# Altium PCB robot.PcbDoc (part 7 of 13) (continued)
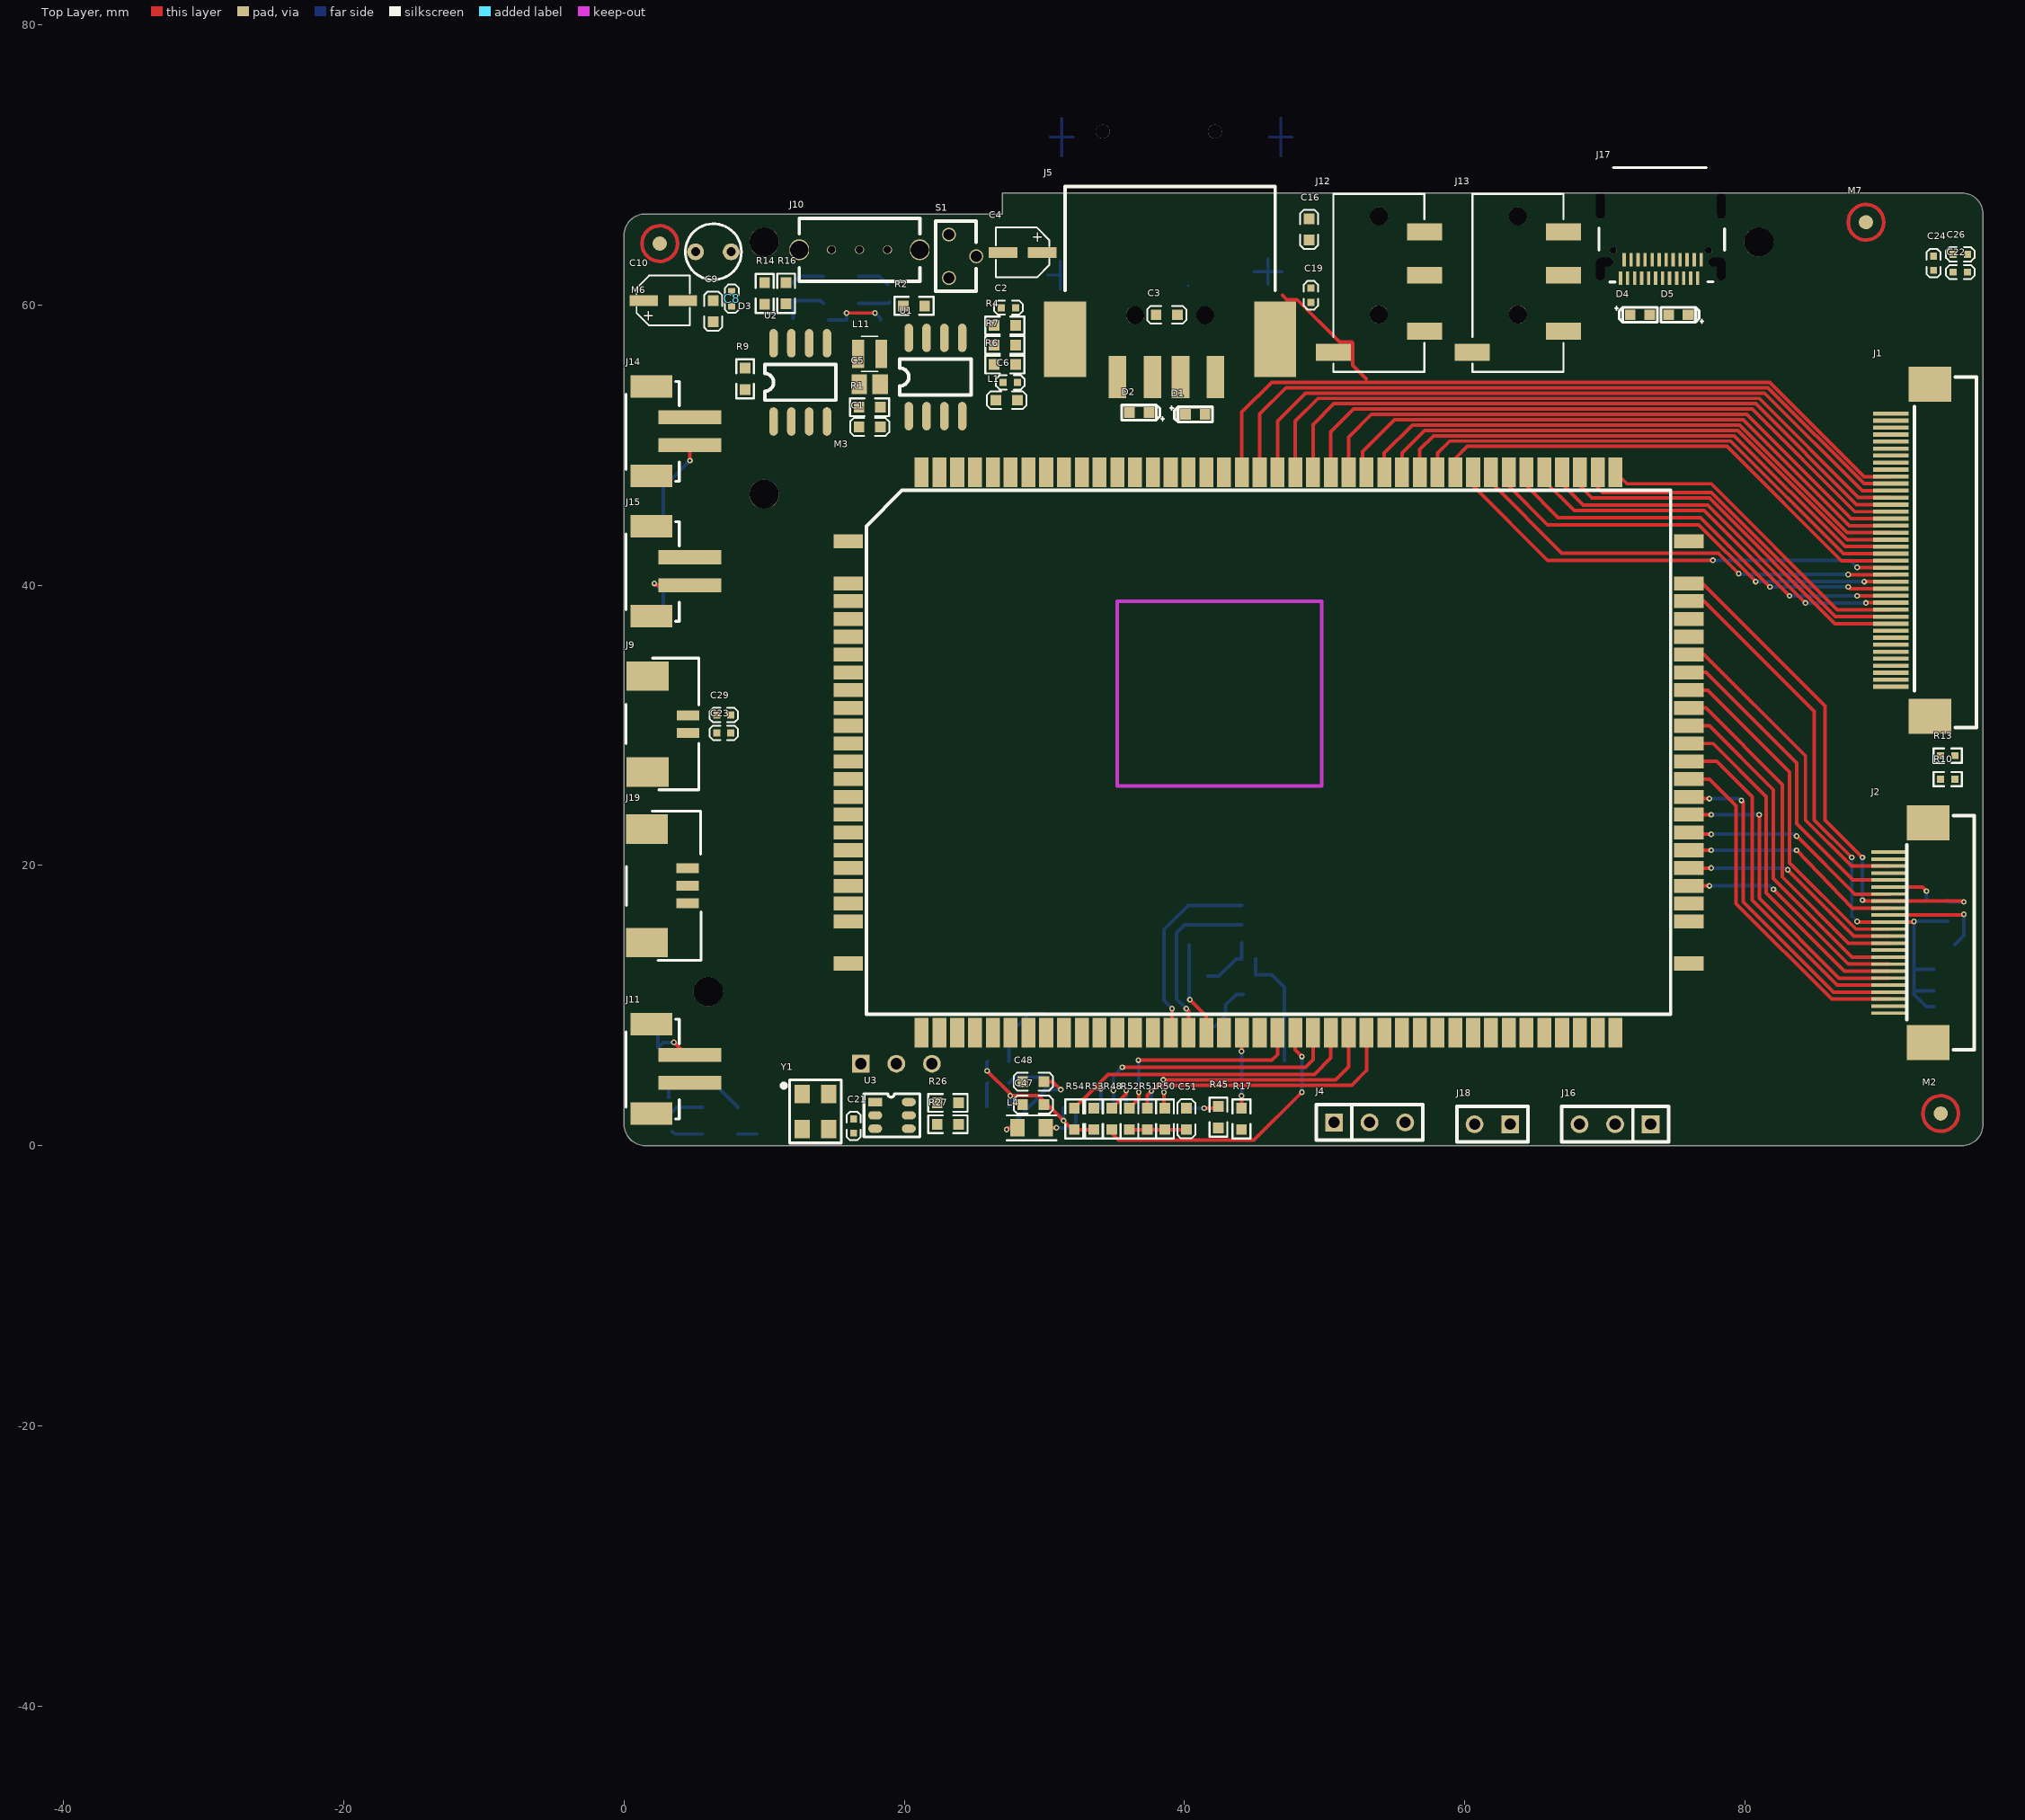
[diagram p0: Top Layer view]
## Free pads (board coordinates) (continued)
1(-39.018,-44.128) 1(-39.018,-44.137) 1(-39.018,-44.137) 1(-39.018,-44.137) 1(-39.018,-44.137) 1(-39.018,-44.137) 1(-39.018,-44.137) 1(-39.018,-44.14) 1(-39.018,-44.14) 1(-39.018,-44.14) 1(-39.018,-44.134) 1(-39.018,-44.134) 1(-39.018,-44.134) 1(-39.018,-44.134) 1(-39.018,-44.134) 1(-39.018,-44.134) 1(-39.018,-44.133) 1(-39.018,-44.133) 1(-39.018,-44.133) 1(-39.018,-44.133) 1(-39.018,-44.133) 1(-39.018,-44.133) 1(-39.018,-44.132) 1(-39.018,-44.132) 1(-39.018,-44.132) 1(-39.018,-44.132) 1(-39.018,-44.132) 1(-39.018,-44.132) 1(-39.018,-44.132) 1(-39.018,-44.132) 1(-39.018,-44.132) 1(-39.018,-44.132) 1(-39.018,-44.132) 1(-39.018,-44.132) 1(-39.018,-44.103) 1(-39.018,-44.103) 1(-39.018,-44.103) 1(-39.018,-44.101) 1(-39.018,-44.101) 1(-39.018,-44.101) 1(-39.018,-44.101) 1(-39.018,-44.101) 1(-39.018,-44.101) 1(-39.018,-44.098) 1(-39.018,-44.098) 1(-39.018,-44.098) 1(-39.017,-44.131) 1(-39.017,-44.131) 1(-39.017,-44.131) 1(-39.017,-44.139) 1(-39.017,-44.139) 1(-39.017,-44.139) 1(-39.017,-44.138) 1(-39.017,-44.138) 1(-39.017,-44.138) 1(-39.017,-44.137) 1(-39.017,-44.137) 1(-39.017,-44.137) 1(-39.017,-44.137) 1(-39.017,-44.137) 1(-39.017,-44.137) 1(-39.017,-44.137) 1(-39.017,-44.137) 1(-39.017,-44.137) 1(-39.017,-44.136) 1(-39.017,-44.136) 1(-39.017,-44.136) 1(-39.017,-44.135) 1(-39.017,-44.135) 1(-39.017,-44.135) 1(-39.017,-44.135) 1(-39.017,-44.135) 1(-39.017,-44.135) 1(-39.017,-44.135) 1(-39.017,-44.135) 1(-39.017,-44.135) 1(-39.017,-44.133) 1(-39.017,-44.133) 1(-39.017,-44.133) 1(-39.017,-44.134) 1(-39.017,-44.134) 1(-39.017,-44.134) 1(-39.017,-44.141) 1(-39.017,-44.141) 1(-39.017,-44.141) 1(-39.017,-44.141) 1(-39.017,-44.141) 1(-39.017,-44.141) 1(-39.017,-44.14) 1(-39.017,-44.14) 1(-39.017,-44.14) 1(-39.017,-44.14) 1(-39.017,-44.14) 1(-39.017,-44.14) 1(-39.017,-44.128) 1(-39.017,-44.128) 1(-39.017,-44.128) 1(-39.017,-44.141) 1(-39.017,-44.141) 1(-39.017,-44.141) 1(-39.017,-44.141) 1(-39.017,-44.141) 1(-39.017,-44.141) 1(-39.017,-44.141) 1(-39.017,-44.141) 1(-39.017,-44.141) 1(-39.017,-44.141) 1(-39.017,-44.141) 1(-39.017,-44.141) 1(-39.017,-44.113) 1(-39.017,-44.113) 1(-39.017,-44.113) 1(-39.017,-44.14) 1(-39.017,-44.14) 1(-39.017,-44.14) 1(-39.017,-44.14) 1(-39.017,-44.14) 1(-39.017,-44.14) 1(-39.017,-44.142) 1(-39.017,-44.142) 1(-39.017,-44.142) 1(-39.017,-44.142) 1(-39.017,-44.142) 1(-39.017,-44.142) 1(-39.017,-44.141) 1(-39.017,-44.141) 1(-39.017,-44.141) 1(-39.017,-44.141) 1(-39.017,-44.141) 1(-39.017,-44.141) 1(-39.017,-44.101) 1(-39.017,-44.101) 1(-39.017,-44.101) 1(-39.017,-44.101) 1(-39.017,-44.101) 1(-39.017,-44.101) 1(-39.017,-44.098) 1(-39.017,-44.098) 1(-39.017,-44.098) 1(-39.016,-44.138) 1(-39.016,-44.138) 1(-39.016,-44.138) 1(-39.016,-44.138) 1(-39.016,-44.138) 1(-39.016,-44.138) 1(-39.016,-44.143) 1(-39.016,-44.143) 1(-39.016,-44.143) 1(-39.016,-44.148) 1(-39.016,-44.148) 1(-39.016,-44.148) 1(-39.016,-44.148) 1(-39.016,-44.148) 1(-39.016,-44.148) 1(-39.016,-44.145) 1(-39.016,-44.145) 1(-39.016,-44.145) 1(-39.016,-44.142) 1(-39.016,-44.142) 1(-39.016,-44.142) 1(-39.016,-44.142) 1(-39.016,-44.142) 1(-39.016,-44.142) 1(-39.016,-44.134) 1(-39.016,-44.134) 1(-39.016,-44.134) 1(-39.016,-44.134) 1(-39.016,-44.134) 1(-39.016,-44.134) 1(-39.016,-44.133) 1(-39.016,-44.133) 1(-39.016,-44.133) 1(-39.016,-44.132) 1(-39.016,-44.132) 1(-39.016,-44.132) 1(-39.016,-44.13) 1(-39.016,-44.13) 1(-39.016,-44.13) 1(-39.016,-44.13) 1(-39.016,-44.13) 1(-39.016,-44.13) 1(-39.016,-44.136) 1(-39.016,-44.136) 1(-39.016,-44.136) 1(-39.016,-44.136) 1(-39.016,-44.136) 1(-39.016,-44.136) 1(-39.016,-44.136) 1(-39.016,-44.136) 1(-39.016,-44.136) 1(-39.016,-44.134) 1(-39.016,-44.134) 1(-39.016,-44.134) 1(-39.016,-44.134) 1(-39.016,-44.134) 1(-39.016,-44.134) 1(-39.016,-44.135) 1(-39.016,-44.135) 1(-39.016,-44.135) 1(-39.016,-44.135) 1(-39.016,-44.135) 1(-39.016,-44.135) 1(-39.016,-44.139) 1(-39.016,-44.139) 1(-39.016,-44.139) 1(-39.016,-44.139) 1(-39.016,-44.139) 1(-39.016,-44.139) 1(-39.016,-44.138) 1(-39.016,-44.138) 1(-39.016,-44.138) 1(-39.016,-44.138) 1(-39.016,-44.138) 1(-39.016,-44.138) 1(-39.016,-44.137) 1(-39.016,-44.137) 1(-39.016,-44.137) 1(-39.016,-44.137) 1(-39.016,-44.137) 1(-39.016,-44.137) 1(-39.016,-44.137) 1(-39.016,-44.137) 1(-39.016,-44.137) 1(-39.016,-44.137) 1(-39.016,-44.137) 1(-39.016,-44.137) 1(-39.016,-44.148) 1(-39.016,-44.148) 1(-39.016,-44.148) 1(-39.016,-44.148) 1(-39.016,-44.148) 1(-39.016,-44.148) 1(-39.016,-44.129) 1(-39.016,-44.129) 1(-39.016,-44.129) 1(-39.016,-44.135) 1(-39.016,-44.135) 1(-39.016,-44.135) 1(-39.016,-44.135) 1(-39.016,-44.135) 1(-39.016,-44.135) 1(-39.016,-44.135) 1(-39.016,-44.135) 1(-39.016,-44.135) 1(-39.016,-44.135) 1(-39.016,-44.135) 1(-39.016,-44.135) 1(-39.016,-44.142) 1(-39.016,-44.142) 1(-39.016,-44.142) 1(-39.016,-44.142) 1(-39.016,-44.142) 1(-39.016,-44.142) 1(-39.016,-44.139) 1(-39.016,-44.139) 1(-39.016,-44.139) 1(-39.016,-44.139) 1(-39.016,-44.139) 1(-39.016,-44.139) 1(-39.016,-44.111) 1(-39.016,-44.111) 1(-39.016,-44.111) 1(-39.016,-44.111) 1(-39.016,-44.111) 1(-39.016,-44.111) 1(-39.016,-44.11) 1(-39.016,-44.11) 1(-39.016,-44.11) 1(-39.016,-44.11) 1(-39.016,-44.11) 1(-39.016,-44.11) 1(-39.016,-44.101) 1(-39.016,-44.101) 1(-39.016,-44.101) 1(-39.016,-44.101) 1(-39.016,-44.101) 1(-39.016,-44.101) 1(-39.016,-44.098) 1(-39.016,-44.098) 1(-39.016,-44.098) 1(-39.016,-44.11) 1(-39.016,-44.11) 1(-39.016,-44.11) 1(-39.016,-44.137) 1(-39.016,-44.137) 1(-39.016,-44.137) 1(-39.016,-44.137) 1(-39.016,-44.137) 1(-39.016,-44.137) 1(-39.015,-44.139) 1(-39.015,-44.139) 1(-39.015,-44.139) 1(-39.015,-44.139) 1(-39.015,-44.139) 1(-39.015,-44.139) 1(-39.015,-44.148) 1(-39.015,-44.148) 1(-39.015,-44.148) 1(-39.015,-44.11) 1(-39.015,-44.11) 1(-39.015,-44.11) 1(-39.015,-44.136) 1(-39.015,-44.136) 1(-39.015,-44.136) 1(-39.015,-44.136) 1(-39.015,-44.136) 1(-39.015,-44.136) 1(-39.015,-44.139) 1(-39.015,-44.139) 1(-39.015,-44.139) 1(-39.015,-44.137) 1(-39.015,-44.137) 1(-39.015,-44.137) 1(-39.015,-44.137) 1(-39.015,-44.137) 1(-39.015,-44.137) 1(-39.015,-44.141) 1(-39.015,-44.141) 1(-39.015,-44.141) 1(-39.015,-44.141) 1(-39.015,-44.141) 1(-39.015,-44.141) 1(-39.015,-44.14) 1(-39.015,-44.14) 1(-39.015,-44.14) 1(-39.015,-44.14) 1(-39.015,-44.14) 1(-39.015,-44.14) 1(-39.015,-44.14) 1(-39.015,-44.14) 1(-39.015,-44.14) 1(-39.015,-44.14) 1(-39.015,-44.14) 1(-39.015,-44.14) 1(-39.015,-44.139) 1(-39.015,-44.139) 1(-39.015,-44.139) 1(-39.015,-44.136) 1(-39.015,-44.136) 1(-39.015,-44.136) 1(-39.015,-44.136) 1(-39.015,-44.136) 1(-39.015,-44.136) 1(-39.015,-44.135) 1(-39.015,-44.135) 1(-39.015,-44.135) 1(-39.015,-44.137) 1(-39.015,-44.137) 1(-39.015,-44.137) 1(-39.015,-44.137) 1(-39.015,-44.137) 1(-39.015,-44.137) 1(-39.015,-44.141) 1(-39.015,-44.141) 1(-39.015,-44.141) 1(-39.015,-44.109) 1(-39.015,-44.109) 1(-39.015,-44.109) 1(-39.015,-44.109) 1(-39.015,-44.109) 1(-39.015,-44.109) 1(-39.015,-44.133) 1(-39.015,-44.133) 1(-39.015,-44.133) 1(-39.015,-44.133) 1(-39.015,-44.133) 1(-39.015,-44.133) 1(-39.015,-44.132) 1(-39.015,-44.132) 1(-39.015,-44.132) 1(-39.015,-44.131) 1(-39.015,-44.131) 1(-39.015,-44.131) 1(-39.015,-44.131) 1(-39.015,-44.131) 1(-39.015,-44.131) 1(-39.015,-44.101) 1(-39.015,-44.101) 1(-39.015,-44.101) 1(-39.015,-44.101) 1(-39.015,-44.101) 1(-39.015,-44.101) 1(-39.015,-44.098) 1(-39.015,-44.098) 1(-39.015,-44.098) 1(-39.015,-44.133) 1(-39.015,-44.133) 1(-39.015,-44.133) 1(-39.015,-44.133) 1(-39.015,-44.133) 1(-39.015,-44.133) 1(-39.014,-44.105) 1(-39.014,-44.105) 1(-39.014,-44.105) 1(-39.014,-44.105) 1(-39.014,-44.105) 1(-39.014,-44.105) 1(-39.014,-44.135) 1(-39.014,-44.135) 1(-39.014,-44.135) 1(-39.014,-44.138) 1(-39.014,-44.138) 1(-39.014,-44.138) 1(-39.014,-44.136) 1(-39.014,-44.136) 1(-39.014,-44.136) 1(-39.014,-44.142) 1(-39.014,-44.142) 1(-39.014,-44.142) 1(-39.014,-44.105) 1(-39.014,-44.105) 1(-39.014,-44.105) 1(-39.014,-44.105) 1(-39.014,-44.105) 1(-39.014,-44.105) 1(-39.014,-44.129) 1(-39.014,-44.129) 1(-39.014,-44.129) 1(-39.014,-44.102) 1(-39.014,-44.102) 1(-39.014,-44.102) 1(-39.014,-44.102) 1(-39.014,-44.102) 1(-39.014,-44.102) 1(-39.014,-44.098) 1(-39.014,-44.098) 1(-39.014,-44.098) 1(-39.014,-44.11) 1(-39.014,-44.11) 1(-39.014,-44.11) 1(-39.014,-44.11) 1(-39.014,-44.11) 1(-39.014,-44.11) 1(-39.014,-44.104) 1(-39.014,-44.104) 1(-39.014,-44.104) 1(-39.014,-44.104) 1(-39.014,-44.104) 1(-39.014,-44.104) 1(-39.013,-44.146) 1(-39.013,-44.146) 1(-39.013,-44.146) 1(-39.013,-44.143) 1(-39.013,-44.143) 1(-39.013,-44.143) 1(-39.013,-44.143) 1(-39.013,-44.143) 1(-39.013,-44.143) 1(-39.013,-44.136) 1(-39.013,-44.136) 1(-39.013,-44.136) 1(-39.013,-44.137) 1(-39.013,-44.137) 1(-39.013,-44.137) 1(-39.013,-44.14) 1(-39.013,-44.14) 1(-39.013,-44.14) 1(-39.013,-44.113) 1(-39.013,-44.113) 1(-39.013,-44.113) 1(-39.013,-44.141) 1(-39.013,-44.141) 1(-39.013,-44.141) 1(-39.013,-44.141) 1(-39.013,-44.141) 1(-39.013,-44.141) 1(-39.013,-44.139) 1(-39.013,-44.139) 1(-39.013,-44.139) 1(-39.013,-44.135) 1(-39.013,-44.135) 1(-39.013,-44.135) 1(-39.013,-44.112) 1(-39.013,-44.112) 1(-39.013,-44.112) 1(-39.013,-44.131) 1(-39.013,-44.131) 1(-39.013,-44.131) 1(-39.013,-44.15) 1(-39.013,-44.15) 1(-39.013,-44.15) 1(-39.013,-44.133) 1(-39.013,-44.133) 1(-39.013,-44.133) 1(-39.013,-44.132) 1(-39.013,-44.132) 1(-39.013,-44.132) 1(-39.013,-44.104) 1(-39.013,-44.104) 1(-39.013,-44.104) 1(-39.013,-44.104) 1(-39.013,-44.104) 1(-39.013,-44.104) 1(-39.013,-44.14) 1(-39.013,-44.14) 1(-39.013,-44.14) 1(-39.013,-44.14) 1(-39.013,-44.14) 1(-39.013,-44.14) 1(-39.013,-44.137) 1(-39.013,-44.137) 1(-39.013,-44.137) 1(-39.013,-44.137) 1(-39.013,-44.137) 1(-39.013,-44.137) 1(-39.013,-44.137) 1(-39.013,-44.137) 1(-39.013,-44.137) 1(-39.013,-44.134) 1(-39.013,-44.134) 1(-39.013,-44.134) 1(-39.013,-44.134) 1(-39.013,-44.134) 1(-39.013,-44.134) 1(-39.013,-44.134) 1(-39.013,-44.134) 1(-39.013,-44.134) 1(-39.013,-44.134) 1(-39.013,-44.134) 1(-39.013,-44.134) 1(-39.013,-44.134) 1(-39.013,-44.134) 1(-39.013,-44.134) 1(-39.013,-44.103) 1(-39.013,-44.103) 1(-39.013,-44.103) 1(-39.013,-44.103) 1(-39.013,-44.103) 1(-39.013,-44.103) 1(-39.013,-44.141) 1(-39.013,-44.141) 1(-39.013,-44.141) 1(-39.013,-44.141) 1(-39.013,-44.141) 1(-39.013,-44.141) 1(-39.013,-44.142) 1(-39.013,-44.142) 1(-39.013,-44.142) 1(-39.013,-44.142) 1(-39.013,-44.142) 1(-39.013,-44.142) 1(-39.013,-44.096) 1(-39.013,-44.096) 1(-39.013,-44.096) 1(-39.013,-44.102) 1(-39.013,-44.102) 1(-39.013,-44.102) 1(-39.013,-44.102) 1(-39.013,-44.102) 1(-39.013,-44.102) 1(-39.013,-44.098) 1(-39.013,-44.098) 1(-39.013,-44.098) 1(-39.012,-44.146) 1(-39.012,-44.146) 1(-39.012,-44.146) 1(-39.012,-44.143) 1(-39.012,-44.143) 1(-39.012,-44.143) 1(-39.012,-44.143) 1(-39.012,-44.143) 1(-39.012,-44.143) 1(-39.012,-44.11) 1(-39.012,-44.11) 1(-39.012,-44.11) 1(-39.012,-44.103) 1(-39.012,-44.103) 1(-39.012,-44.103) 1(-39.012,-44.103) 1(-39.012,-44.103) 1(-39.012,-44.103) 1(-39.012,-44.137) 1(-39.012,-44.137) 1(-39.012,-44.137) 1(-39.012,-44.14) 1(-39.012,-44.14) 1(-39.012,-44.14) 1(-39.012,-44.133) 1(-39.012,-44.133) 1(-39.012,-44.133) 1(-39.012,-44.135) 1(-39.012,-44.135) 1(-39.012,-44.135) 1(-39.012,-44.138) 1(-39.012,-44.138) 1(-39.012,-44.138) 1(-39.012,-44.143) 1(-39.012,-44.143) 1(-39.012,-44.143) 1(-39.012,-44.143) 1(-39.012,-44.143) 1(-39.012,-44.143) 1(-39.012,-44.128) 1(-39.012,-44.128) 1(-39.012,-44.128) 1(-39.012,-44.102) 1(-39.012,-44.102) 1(-39.012,-44.102) 1(-39.012,-44.102) 1(-39.012,-44.102) 1(-39.012,-44.102) 1(-39.012,-44.141) 1(-39.012,-44.141) 1(-39.012,-44.141) 1(-39.012,-44.097) 1(-39.012,-44.097) 1(-39.012,-44.097) 1(-39.012,-44.097) 1(-39.012,-44.097) 1(-39.012,-44.097) 1(-39.012,-44.097) 1(-39.012,-44.097) 1(-39.012,-44.097) 1(-39.012,-44.098) 1(-39.012,-44.098) 1(-39.012,-44.098) 1(-39.012,-44.097) 1(-39.012,-44.097) 1(-39.012,-44.097) 1(-39.012,-44.097) 1(-39.012,-44.097) 1(-39.012,-44.097) 1(-39.012,-44.129) 1(-39.012,-44.129) 1(-39.012,-44.129) 1(-39.011,-44.146) 1(-39.011,-44.146) 1(-39.011,-44.146) 1(-39.011,-44.144) 1(-39.011,-44.144) 1(-39.011,-44.144) 1(-39.011,-44.144) 1(-39.011,-44.144) 1(-39.011,-44.144) 1(-39.011,-44.14) 1(-39.011,-44.14) 1(-39.011,-44.14) 1(-39.011,-44.14) 1(-39.011,-44.14) 1(-39.011,-44.14) 1(-39.011,-44.134) 1(-39.011,-44.134) 1(-39.011,-44.134) 1(-39.011,-44.134) 1(-39.011,-44.134) 1(-39.011,-44.134) 1(-39.011,-44.143) 1(-39.011,-44.143) 1(-39.011,-44.143) 1(-39.011,-44.143) 1(-39.011,-44.143) 1(-39.011,-44.143) 1(-39.011,-44.14) 1(-39.011,-44.14) 1(-39.011,-44.14) 1(-39.011,-44.14) 1(-39.011,-44.14) 1(-39.011,-44.14) 1(-39.011,-44.134) 1(-39.011,-44.134) 1(-39.011,-44.134) 1(-39.011,-44.134) 1(-39.011,-44.134) 1(-39.011,-44.134) 1(-39.011,-44.132) 1(-39.011,-44.132) 1(-39.011,-44.132) 1(-39.011,-44.144) 1(-39.011,-44.144) 1(-39.011,-44.144) 1(-39.011,-44.101) 1(-39.011,-44.101) 1(-39.011,-44.101) 1(-39.011,-44.101) 1(-39.011,-44.101) 1(-39.011,-44.101) 1(-39.011,-44.098) 1(-39.011,-44.098) 1(-39.011,-44.098) 1(-39.01,-44.14) 1(-39.01,-44.14) 1(-39.01,-44.14) 1(-39.01,-44.14) 1(-39.01,-44.14) 1(-39.01,-44.14) 1(-39.01,-44.134) 1(-39.01,-44.134) 1(-39.01,-44.134) 1(-39.01,-44.134) 1(-39.01,-44.134) 1(-39.01,-44.134) 1(-39.01,-44.139) 1(-39.01,-44.139) 1(-39.01,-44.139) 1(-39.01,-44.139) 1(-39.01,-44.139) 1(-39.01,-44.139) 1(-39.01,-44.134) 1(-39.01,-44.134) 1(-39.01,-44.134) 1(-39.01,-44.134) 1(-39.01,-44.134) 1(-39.01,-44.134) 1(-39.01,-44.102) 1(-39.01,-44.102) 1(-39.01,-44.102) 1(-39.01,-44.102) 1(-39.01,-44.102) 1(-39.01,-44.102) 1(-39.01,-44.112) 1(-39.01,-44.112) 1(-39.01,-44.112) 1(-39.01,-44.15) 1(-39.01,-44.15) 1(-39.01,-44.15) 1(-39.01,-44.101) 1(-39.01,-44.101) 1(-39.01,-44.101) 1(-39.01,-44.101) 1(-39.01,-44.101) 1(-39.01,-44.101) 1(-39.01,-44.098) 1(-39.01,-44.098) 1(-39.01,-44.098) 1(-39.009,-44.142) 1(-39.009,-44.142) 1(-39.009,-44.142) 1(-39.009,-44.142) 1(-39.009,-44.142) 1(-39.009,-44.142) 1(-39.009,-44.137) 1(-39.009,-44.137) 1(-39.009,-44.137) 1(-39.009,-44.137) 1(-39.009,-44.137) 1(-39.009,-44.137) 1(-39.009,-44.146) 1(-39.009,-44.146) 1(-39.009,-44.146) 1(-39.009,-44.144) 1(-39.009,-44.144) 1(-39.009,-44.144) 1(-39.009,-44.144) 1(-39.009,-44.144) 1(-39.009,-44.144) 1(-39.009,-44.13) 1(-39.009,-44.13) 1(-39.009,-44.13) 1(-39.009,-44.141) 1(-39.009,-44.141) 1(-39.009,-44.141) 1(-39.009,-44.141) 1(-39.009,-44.141) 1(-39.009,-44.141) 1(-39.009,-44.144) 1(-39.009,-44.144) 1(-39.009,-44.144) 1(-39.009,-44.144) 1(-39.009,-44.144) 1(-39.009,-44.144) 1(-39.009,-44.102) 1(-39.009,-44.102) 1(-39.009,-44.102) 1(-39.009,-44.102) 1(-39.009,-44.102) 1(-39.009,-44.102) 1(-39.009,-44.141) 1(-39.009,-44.141) 1(-39.009,-44.141) 1(-39.009,-44.141) 1(-39.009,-44.141) 1(-39.009,-44.141) 1(-39.009,-44.11) 1(-39.009,-44.11) 1(-39.009,-44.11) 1(-39.009,-44.14) 1(-39.009,-44.14) 1(-39.009,-44.14) 1(-39.009,-44.14) 1(-39.009,-44.14) 1(-39.009,-44.14) 1(-39.009,-44.14) 1(-39.009,-44.14) 1(-39.009,-44.14) 1(-39.009,-44.135) 1(-39.009,-44.135) 1(-39.009,-44.135) 1(-39.009,-44.113) 1(-39.009,-44.113) 1(-39.009,-44.113) 1(-39.009,-44.137) 1(-39.009,-44.137) 1(-39.009,-44.137) 1(-39.009,-44.097) 1(-39.009,-44.097) 1(-39.009,-44.097) 1(-39.009,-44.097) 1(-39.009,-44.097) 1(-39.009,-44.097) 1(-39.009,-44.095) 1(-39.009,-44.095) 1(-39.009,-44.095) 1(-39.009,-44.098) 1(-39.009,-44.098) 1(-39.009,-44.098) 1(-39.009,-44.097) 1(-39.009,-44.097) 1(-39.009,-44.097) 1(-39.009,-44.097) 1(-39.009,-44.097) 1(-39.009,-44.097) 1(-39.009,-44.129) 1(-39.009,-44.129) 1(-39.009,-44.129) 1(-39.008,-44.128) 1(-39.008,-44.128) 1(-39.008,-44.128) 1(-39.008,-44.136) 1(-39.008,-44.136) 1(-39.008,-44.136) 1(-39.008,-44.136) 1(-39.008,-44.136) 1(-39.008,-44.136) 1(-39.008,-44.136) 1(-39.008,-44.136) 1(-39.008,-44.136) 1(-39.008,-44.136) 1(-39.008,-44.136) 1(-39.008,-44.136) 1(-39.008,-44.097) 1(-39.008,-44.097) 1(-39.008,-44.097) 1(-39.008,-44.14) 1(-39.008,-44.14) 1(-39.008,-44.14) 1(-39.008,-44.137) 1(-39.008,-44.137) 1(-39.008,-44.137) 1(-39.007,-44.146) 1(-39.007,-44.146) 1(-39.007,-44.146) 1(-39.007,-44.145) 1(-39.007,-44.145) 1(-39.007,-44.145) 1(-39.007,-44.145) 1(-39.007,-44.145) 1(-39.007,-44.145) 1(-39.007,-44.144) 1(-39.007,-44.144) 1(-39.007,-44.144) 1(-39.007,-44.144) 1(-39.007,-44.144) 1(-39.007,-44.144) 1(-39.007,-44.135) 1(-39.007,-44.135) 1(-39.007,-44.135) 1(-39.007,-44.135) 1(-39.007,-44.135) 1(-39.007,-44.135) 1(-39.007,-44.135) 1(-39.007,-44.135) 1(-39.007,-44.135) 1(-39.007,-44.135) 1(-39.007,-44.135) 1(-39.007,-44.135) 1(-39.007,-44.134) 1(-39.007,-44.134) 1(-39.007,-44.134) 1(-39.007,-44.133) 1(-39.007,-44.133) 1(-39.007,-44.133) 1(-39.007,-44.128) 1(-39.007,-44.128) 1(-39.007,-44.128) 1(-39.007,-44.113) 1(-39.007,-44.113) 1(-39.007,-44.113) 1(-39.007,-44.112) 1(-39.007,-44.112) 1(-39.007,-44.112) 1(-39.006,-44.14) 1(-39.006,-44.14) 1(-39.006,-44.14) 1(-39.006,-44.137) 1(-39.006,-44.137) 1(-39.006,-44.137) 1(-39.006,-44.146) 1(-39.006,-44.146) 1(-39.006,-44.146) 1(-39.006,-44.145) 1(-39.006,-44.145) 1(-39.006,-44.145) 1(-39.006,-44.145) 1(-39.006,-44.145) 1(-39.006,-44.145) 1(-39.006,-44.145) 1(-39.006,-44.145) 1(-39.006,-44.145) 1(-39.006,-44.145) 1(-39.006,-44.145) 1(-39.006,-44.145) 1(-39.006,-44.132) 1(-39.006,-44.132) 1(-39.006,-44.132) 1(-39.006,-44.132) 1(-39.006,-44.132) 1(-39.006,-44.132) 1(-39.006,-44.132) 1(-39.006,-44.132) 1(-39.006,-44.132) 1(-39.006,-44.132) 1(-39.006,-44.132) 1(-39.006,-44.132) 1(-39.006,-44.106) 1(-39.006,-44.106) 1(-39.006,-44.106) 1(-39.006,-44.106) 1(-39.006,-44.106) 1(-39.006,-44.106) 1(-39.006,-44.128) 1(-39.006,-44.128) 1(-39.006,-44.128) 1(-39.006,-44.128) 1(-39.006,-44.128) 1(-39.006,-44.128) 1(-39.006,-44.116) 1(-39.006,-44.116) 1(-39.006,-44.116) 1(-39.006,-44.116) 1(-39.006,-44.116) 1(-39.006,-44.116) 1(-39.005,-44.146) 1(-39.005,-44.146) 1(-39.005,-44.146) 1(-39.005,-44.145) 1(-39.005,-44.145) 1(-39.005,-44.145) 1(-39.005,-44.145) 1(-39.005,-44.145) 1(-39.005,-44.145) 1(-39.005,-44.105) 1(-39.005,-44.105) 1(-39.005,-44.105) 1(-39.005,-44.105) 1(-39.005,-44.105) 1(-39.005,-44.105) 1(-39.005,-44.145) 1(-39.005,-44.145) 1(-39.005,-44.145) 1(-39.005,-44.145) 1(-39.005,-44.145) 1(-39.005,-44.145) 1(-39.005,-44.104) 1(-39.005,-44.104) 1(-39.005,-44.104) 1(-39.005,-44.104) 1(-39.005,-44.104) 1(-39.005,-44.104) 1(-39.005,-44.105) 1(-39.005,-44.105) 1(-39.005,-44.105) 1(-39.005,-44.105) 1(-39.005,-44.105) 1(-39.005,-44.105) 1(-39.005,-44.104) 1(-39.005,-44.104) 1(-39.005,-44.104) 1(-39.005,-44.104) 1(-39.005,-44.104) 1(-39.005,-44.104) 1(-39.005,-44.128) 1(-39.005,-44.128) 1(-39.005,-44.128) 1(-39.005,-44.128) 1(-39.005,-44.128) 1(-39.005,-44.128) 1(-39.005,-44.117) 1(-39.005,-44.117) 1(-39.005,-44.117) 1(-39.005,-44.117) 1(-39.005,-44.117) 1(-39.005,-44.117) 1(-39.005,-44.15) 1(-39.005,-44.15) 1(-39.005,-44.15) 1(-39.005,-44.103) 1(-39.005,-44.103) 1(-39.005,-44.103) 1(-39.005,-44.103) 1(-39.005,-44.103) 1(-39.005,-44.103) 1(-39.005,-44.148) 1(-39.005,-44.148) 1(-39.005,-44.148) 1(-39.005,-44.148) 1(-39.005,-44.148) 1(-39.005,-44.148) 1(-39.005,-44.107) 1(-39.005,-44.107) 1(-39.005,-44.107) 1(-39.005,-44.107) 1(-39.005,-44.107) 1(-39.005,-44.107) 1(-39.005,-44.128) 1(-39.005,-44.128) 1(-39.005,-44.128) 1(-39.005,-44.128) 1(-39.005,-44.128) 1(-39.005,-44.128) 1(-39.005,-44.128) 1(-39.005,-44.128) 1(-39.005,-44.128) 1(-39.005,-44.128) 1(-39.005,-44.128) 1(-39.005,-44.128) 1(-39.005,-44.131) 1(-39.005,-44.131) 1(-39.005,-44.131) 1(-39.005,-44.103) 1(-39.005,-44.103) 1(-39.005,-44.103) 1(-39.005,-44.103) 1(-39.005,-44.103) 1(-39.005,-44.103) 1(-39.005,-44.134) 1(-39.005,-44.134) 1(-39.005,-44.134) 1(-39.005,-44.109) 1(-39.005,-44.109) 1(-39.005,-44.109) 1(-39.005,-44.109) 1(-39.005,-44.109) 1(-39.005,-44.109) 1(-39.005,-44.139) 1(-39.005,-44.139) 1(-39.005,-44.139) 1(-39.005,-44.129) 1(-39.005,-44.129) 1(-39.005,-44.129) 1(-39.005,-44.129) 1(-39.005,-44.129) 1(-39.005,-44.129) 1(-39.005,-44.129) 1(-39.005,-44.129) 1(-39.005,-44.129) 1(-39.005,-44.129) 1(-39.005,-44.129) 1(-39.005,-44.129) 1(-39.005,-44.102) 1(-39.005,-44.102) 1(-39.005,-44.102) 1(-39.005,-44.102) 1(-39.005,-44.102) 1(-39.005,-44.102) 1(-39.005,-44.137) 1(-39.005,-44.137) 1(-39.005,-44.137) 1(-39.005,-44.128) 1(-39.005,-44.128) 1(-39.005,-44.128) 1(-39.005,-44.128) 1(-39.005,-44.128) 1(-39.005,-44.128) 1(-39.005,-44.117) 1(-39.005,-44.117) 1(-39.005,-44.117) 1(-39.005,-44.117) 1(-39.005,-44.117) 1(-39.005,-44.117) 1(-39.005,-44.102) 1(-39.005,-44.102) 1(-39.005,-44.102) 1(-39.005,-44.102) 1(-39.005,-44.102) 1(-39.005,-44.102) 1(-39.005,-44.108) 1(-39.005,-44.108) 1(-39.005,-44.108) 1(-39.005,-44.108) 1(-39.005,-44.108) 1(-39.005,-44.108) 1(-39.005,-44.14) 1(-39.005,-44.14) 1(-39.005,-44.14) 1(-39.005,-44.14) 1(-39.005,-44.14) 1(-39.005,-44.14) 1(-39.004,-44.148) 1(-39.004,-44.148) 1(-39.004,-44.148) 1(-39.004,-44.148) 1(-39.004,-44.148) 1(-39.004,-44.148) 1(-39.004,-44.146) 1(-39.004,-44.146) 1(-39.004,-44.146) 1(-39.004,-44.102) 1(-39.004,-44.102) 1(-39.004,-44.102) 1(-39.004,-44.102) 1(-39.004,-44.102) 1(-39.004,-44.102) 1(-39.004,-44.108) 1(-39.004,-44.108) 1(-39.004,-44.108) 1(-39.004,-44.108) 1(-39.004,-44.108) 1(-39.004,-44.108) 1(-39.004,-44.117) 1(-39.004,-44.117) 1(-39.004,-44.117) 1(-39.004,-44.117) 1(-39.004,-44.117) 1(-39.004,-44.117) 1(-39.004,-44.145) 1(-39.004,-44.145) 1(-39.004,-44.145) 1(-39.004,-44.145) 1(-39.004,-44.145) 1(-39.004,-44.145) 1(-39.004,-44.108) 1(-39.004,-44.108) 1(-39.004,-44.108) 1(-39.004,-44.108) 1(-39.004,-44.108) 1(-39.004,-44.108) 1(-39.004,-44.128) 1(-39.004,-44.128) 1(-39.004,-44.128) 1(-39.004,-44.128) 1(-39.004,-44.128) 1(-39.004,-44.128) 1(-39.004,-44.118) 1(-39.004,-44.118) 1(-39.004,-44.118) 1(-39.004,-44.118) 1(-39.004,-44.118) 1(-39.004,-44.118) 1(-39.004,-44.11) 1(-39.004,-44.11) 1(-39.004,-44.11) 1(-39.004,-44.11) 1(-39.004,-44.11) 1(-39.004,-44.11) 1(-39.004,-44.145) 1(-39.004,-44.145) 1(-39.004,-44.145) 1(-39.004,-44.145) 1(-39.004,-44.145) 1(-39.004,-44.145) 1(-39.004,-44.107) 1(-39.004,-44.107) 1(-39.004,-44.107) 1(-39.004,-44.107) 1(-39.004,-44.107) 1(-39.004,-44.107) 1(-39.004,-44.143) 1(-39.004,-44.143) 1(-39.004,-44.143) 1(-39.004,-44.143) 1(-39.004,-44.143) 1(-39.004,-44.143) 1(-39.004,-44.118) 1(-39.004,-44.118) 1(-39.004,-44.118) 1(-39.004,-44.118) 1(-39.004,-44.118) 1(-39.004,-44.118) 1(-39.004,-44.144) 1(-39.004,-44.144) 1(-39.004,-44.144) 1(-39.004,-44.144) 1(-39.004,-44.144) 1(-39.004,-44.144) 1(-39.004,-44.144) 1(-39.004,-44.144) 1(-39.004,-44.144) 1(-39.004,-44.144) 1(-39.004,-44.144) 1(-39.004,-44.144) 1(-39.004,-44.111) 1(-39.004,-44.111) 1(-39.004,-44.111) 1(-39.004,-44.111) 1(-39.004,-44.111) 1(-39.004,-44.111) 1(-39.004,-44.143) 1(-39.004,-44.143) 1(-39.004,-44.143) 1(-39.004,-44.143) 1(-39.004,-44.143) 1(-39.004,-44.143) 1(-39.004,-44.115) 1(-39.004,-44.115) 1(-39.004,-44.115) 1(-39.004,-44.115) 1(-39.004,-44.115) 1(-39.004,-44.115) 1(-39.004,-44.123) 1(-39.004,-44.123) 1(-39.004,-44.123) 1(-39.004,-44.123) 1(-39.004,-44.123) 1(-39.004,-44.123) 1(-39.004,-44.119) 1(-39.004,-44.119) 1(-39.004,-44.119) 1(-39.004,-44.119) 1(-39.004,-44.119) 1(-39.004,-44.119) 1(-39.004,-44.142) 1(-39.004,-44.142) 1(-39.004,-44.142) 1(-39.004,-44.142) 1(-39.004,-44.142) 1(-39.004,-44.142) 1(-39.004,-44.125) 1(-39.004,-44.125) 1(-39.004,-44.125) 1(-39.004,-44.124) 1(-39.004,-44.124) 1(-39.004,-44.124) 1(-39.004,-44.137) 1(-39.004,-44.137) 1(-39.004,-44.137) 1(-39.004,-44.134) 1(-39.004,-44.134) 1(-39.004,-44.134) 1(-39.004,-44.142) 1(-39.004,-44.142) 1(-39.004,-44.142) 1(-39.004,-44.142) 1(-39.004,-44.142) 1(-39.004,-44.142) 1(-39.004,-44.139) 1(-39.004,-44.139) 1(-39.004,-44.139) 1(-39.003,-44.117) 1(-39.003,-44.117) 1(-39.003,-44.117) 1(-39.003,-44.141) 1(-39.003,-44.141) 1(-39.003,-44.141) 1(-39.003,-44.141) 1(-39.003,-44.141) 1(-39.003,-44.141) 1(-39.003,-44.114) 1(-39.003,-44.114) 1(-39.003,-44.114) 1(-39.003,-44.114) 1(-39.003,-44.114) 1(-39.003,-44.114) 1(-39.003,-44.124) 1(-39.003,-44.124) 1(-39.003,-44.124) 1(-39.003,-44.124) 1(-39.003,-44.124) 1(-39.003,-44.124) 1(-39.003,-44.122) 1(-39.003,-44.122) 1(-39.003,-44.122) 1(-39.003,-44.122) 1(-39.003,-44.122) 1(-39.003,-44.122) 1(-39.003,-44.116) 1(-39.003,-44.116) 1(-39.003,-44.116) 1(-39.003,-44.116) 1(-39.003,-44.116) 1(-39.003,-44.116) 1(-39.003,-44.122) 1(-39.003,-44.122) 1(-39.003,-44.122) 1(-39.003,-44.122) 1(-39.003,-44.122) 1(-39.003,-44.122) 1(-39.003,-44.116) 1(-39.003,-44.116) 1(-39.003,-44.116) 1(-39.003,-44.116) 1(-39.003,-44.116) 1(-39.003,-44.116) 1(-39.003,-44.141) 1(-39.003,-44.141) 1(-39.003,-44.141) 1(-39.003,-44.141) 1(-39.003,-44.141) 1(-39.003,-44.141) 1(-39.003,-44.114) 1(-39.003,-44.114) 1(-39.003,-44.114) 1(-39.003,-44.118) 1(-39.003,-44.118) 1(-39.003,-44.118) 1(-39.003,-44.118) 1(-39.003,-44.118) 1(-39.003,-44.118) 1(-39.003,-44.114) 1(-39.003,-44.114) 1(-39.003,-44.114) 1(-39.003,-44.114) 1(-39.003,-44.114) 1(-39.003,-44.114) 1(-39.003,-44.097) 1(-39.003,-44.097) 1(-39.003,-44.097) 1(-39.003,-44.126) 1(-39.003,-44.126) 1(-39.003,-44.126) 1(-39.003,-44.113) 1(-39.003,-44.113) 1(-39.003,-44.113) 1(-39.003,-44.113) 1(-39.003,-44.113) 1(-39.003,-44.113) 1(-39.003,-44.112) 1(-39.003,-44.112) 1(-39.003,-44.112) 1(-39.003,-44.112) 1(-39.003,-44.112) 1(-39.003,-44.112) 1(-39.003,-44.151) 1(-39.003,-44.151) 1(-39.003,-44.151) 1(-39.003,-44.15) 1(-39.003,-44.15) 1(-39.003,-44.15) 1(-39.003,-44.14) 1(-39.003,-44.14) 1(-39.003,-44.14) 1(-39.003,-44.14) 1(-39.003,-44.14) 1(-39.003,-44.14) 1(-39.003,-44.095) 1(-39.003,-44.095) 1(-39.003,-44.095) 1(-39.003,-44.095) 1(-39.003,-44.095) 1(-39.003,-44.095) 1(-39.002,-44.131) 1(-39.002,-44.131) 1(-39.002,-44.131) 1(-39.002,-44.125) 1(-39.002,-44.125) 1(-39.002,-44.125) 1(-39.002,-44.125) 1(-39.002,-44.125) 1(-39.002,-44.125) 1(-39.002,-44.124) 1(-39.002,-44.124) 1(-39.002,-44.124) 1(-39.002,-44.124) 1(-39.002,-44.124) 1(-39.002,-44.124) 1(-39.002,-44.122) 1(-39.002,-44.122) 1(-39.002,-44.122) 1(-39.002,-44.121) 1(-39.002,-44.121) 1(-39.002,-44.121) 1(-39.002,-44.119) 1(-39.002,-44.119) 1(-39.002,-44.119) 1(-39.002,-44.118) 1(-39.002,-44.118) 1(-39.002,-44.118) 1(-39.002,-44.118) 1(-39.002,-44.118) 1(-39.002,-44.118) 1(-39.002,-44.118) 1(-39.002,-44.118) 1(-39.002,-44.118) 1(-39.002,-44.116) 1(-39.002,-44.116) 1(-39.002,-44.116) 1(-39.002,-44.14) 1(-39.002,-44.14) 1(-39.002,-44.14) 1(-39.002,-44.14) 1(-39.002,-44.14) 1(-39.002,-44.14) 1(-39.002,-44.115) 1(-39.002,-44.115) 1(-39.002,-44.115) 1(-39.002,-44.113) 1(-39.002,-44.113) 1(-39.002,-44.113) 1(-39.002,-44.118) 1(-39.002,-44.118) 1(-39.002,-44.118) 1(-39.002,-44.118) 1(-39.002,-44.118) 1(-39.002,-44.118) 1(-39.002,-44.118) 1(-39.002,-44.118) 1(-39.002,-44.118) 1(-39.002,-44.118) 1(-39.002,-44.118) 1(-39.002,-44.118) 1(-39.002,-44.133) 1(-39.002,-44.133) 1(-39.002,-44.133) 1(-39.002,-44.111) 1(-39.002,-44.111) 1(-39.002,-44.111) 1(-39.002,-44.111) 1(-39.002,-44.111) 1(-39.002,-44.111) 1(-39.002,-44.114) 1(-39.002,-44.114) 1(-39.002,-44.114) 1(-39.002,-44.118) 1(-39.002,-44.118) 1(-39.002,-44.118) 1(-39.002,-44.123) 1(-39.002,-44.123) 1(-39.002,-44.123) 1(-39.002,-44.123) 1(-39.002,-44.123) 1(-39.002,-44.123) 1(-39.002,-44.122) 1(-39.002,-44.122) 1(-39.002,-44.122) 1(-39.002,-44.122) 1(-39.002,-44.122) 1(-39.002,-44.122) 1(-39.002,-44.122) 1(-39.002,-44.122) 1(-39.002,-44.122) 1(-39.002,-44.113) 1(-39.002,-44.113) 1(-39.002,-44.113) 1(-39.002,-44.113) 1(-39.002,-44.113) 1(-39.002,-44.113) 1(-39.002,-44.13) 1(-39.002,-44.13) 1(-39.002,-44.13) 1(-39.002,-44.143) 1(-39.002,-44.143) 1(-39.002,-44.143) 1(-39.002,-44.143) 1(-39.002,-44.143) 1(-39.002,-44.143) 1(-39.002,-44.143) 1(-39.002,-44.143) 1(-39.002,-44.143) 1(-39.002,-44.143) 1(-39.002,-44.143) 1(-39.002,-44.143) 1(-39.002,-44.104) 1(-39.002,-44.104) 1(-39.002,-44.104) 1(-39.002,-44.104) 1(-39.002,-44.104) 1(-39.002,-44.104) 1(-39.002,-44.098) 1(-39.002,-44.098) 1(-39.002,-44.098) 1(-39.002,-44.128) 1(-39.002,-44.128) 1(-39.002,-44.128) 1(-39.002,-44.111) 1(-39.002,-44.111) 1(-39.002,-44.111) 1(-39.002,-44.111) 1(-39.002,-44.111) 1(-39.002,-44.111) 1(-39.002,-44.111) 1(-39.002,-44.111) 1(-39.002,-44.111) 1(-39.002,-44.111) 1(-39.002,-44.111) 1(-39.002,-44.111) 1(-39.002,-44.121) 1(-39.002,-44.121) 1(-39.002,-44.121) 1(-39.002,-44.121) 1(-39.002,-44.121) 1(-39.002,-44.121) 1(-39.002,-44.112) 1(-39.002,-44.112) 1(-39.002,-44.112)